# KiCad board RUSP_Mainboard_panelMockup.kicad_pcb (continued)
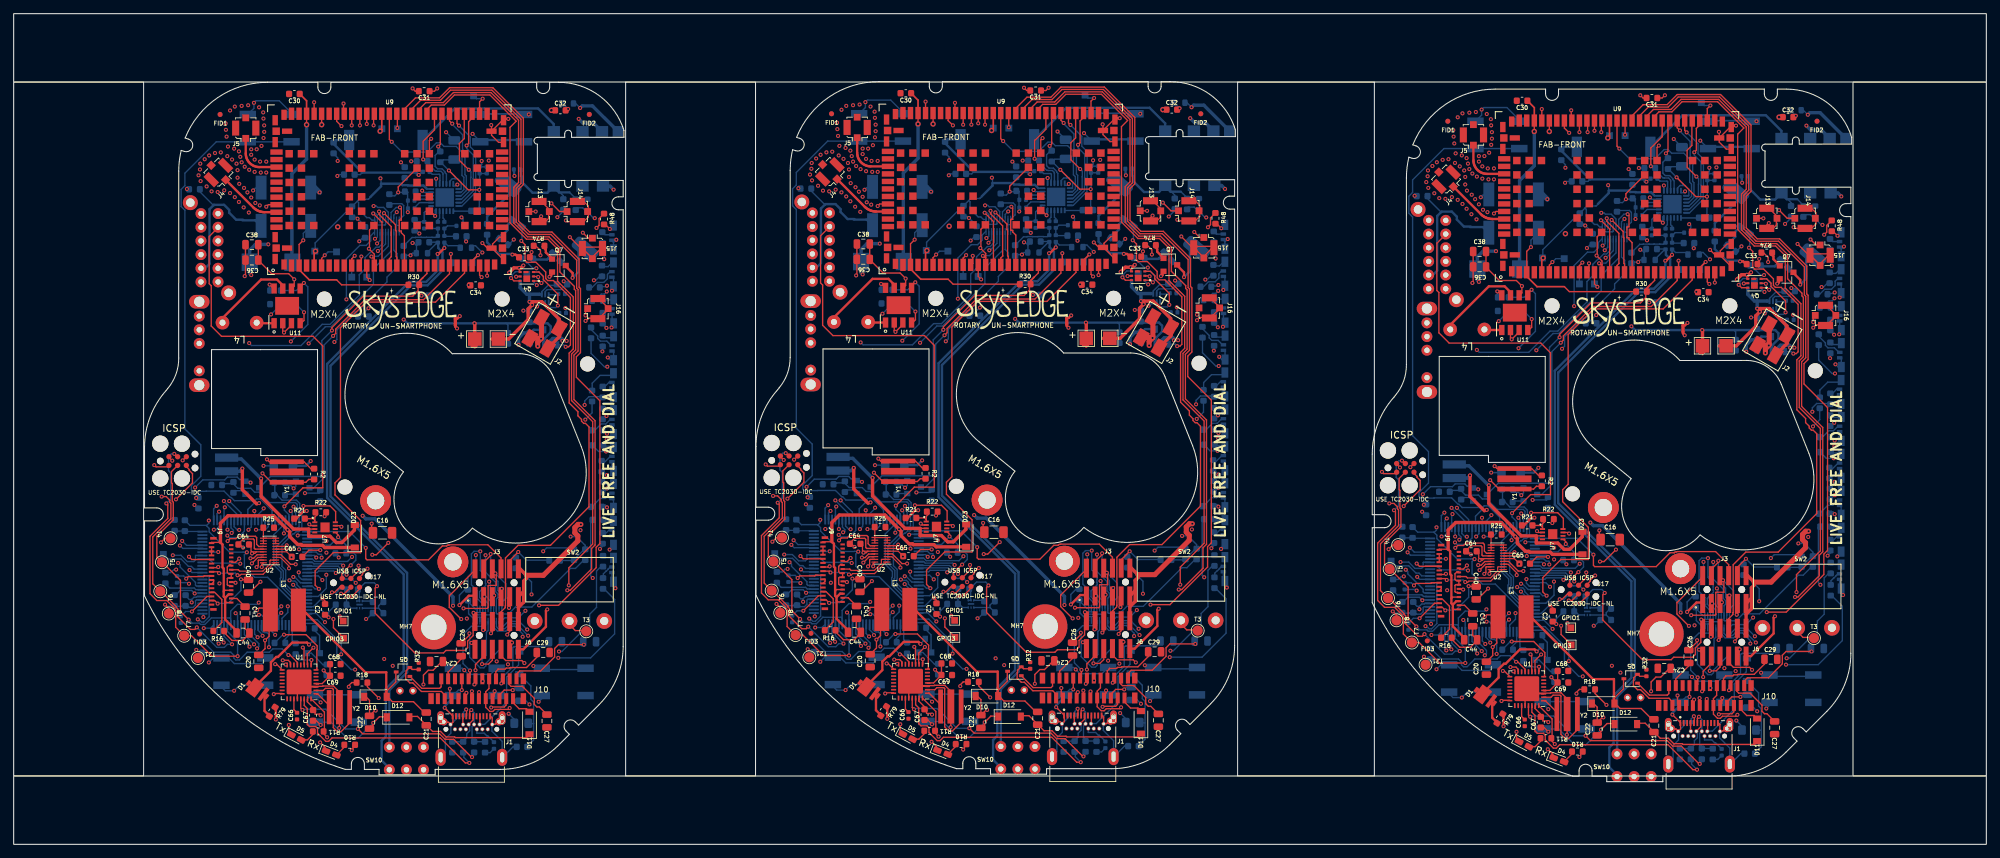
[diagram p0: board, top side]
## Routing (per net, layer and track width the routed paths; a pad name or vN(x,y) marks a point on that pad's centre or on a via; arc(x,y) is an arc through that point) (continued)
/CELL MODEM/ANT2: length 27.9
  L1_GND+GNDA.Cu w0.35: U9.87 36.74,92.46 36.62,92.46 36.5,92.47 36.39,92.49 36.27,92.51 36.15,92.53 36.04,92.56 35.93,92.6 35.82,92.64 35.71,92.69 35.6,92.75 35.5,92.8 35.4,92.87 35.3,92.94 35.21,93.01 35.12,93.09 35.03,93.17 J4.1 ; J4#2.1 214.58,92.17 214.67,92.09 214.76,92.02 214.85,91.94 214.95,91.87 215.05,91.81 215.15,91.75 215.26,91.7 215.37,91.65 215.48,91.61 215.59,91.57 215.7,91.54 215.82,91.51 215.93,91.49 216.05,91.48 216.17,91.47 216.29,91.47 U9#2.87 ; J4#3.1 124.45,93.27 124.54,93.19 124.63,93.11 124.72,93.04 124.82,92.97 124.92,92.91 125.02,92.85 125.13,92.79 125.24,92.75 125.35,92.7 125.46,92.67 125.58,92.63 125.69,92.61 125.81,92.59 125.93,92.57 126.04,92.56 126.16,92.56 U9#3.87
/CELL MODEM/CTS_1v8: length 30.6
  L1_GND+GNDA.Cu w0.2: v1(232.99,91.57) 232.99,91.14 234.76,89.37 234.76,84.99 234.79,84.97 234.49,84.67 U9#2.15 ; U9#3.15 144.36,85.76 144.66,86.06 144.64,86.09 144.64,90.46 142.86,92.24 v1(142.86,92.66) ; v1(53.44,92.56) 53.44,92.14 55.22,90.36 55.22,85.99 55.24,85.96 54.94,85.66 U9.15
  L6_GND.Cu w0.18: 53.59,91.34 53.59,92.41 v1(53.44,92.56) ; U10#3.3 233.14,91.42 v1(232.99,91.57) ; v1(142.86,92.66) 143.01,92.51 U10#2.3
  L6_GND.Cu w0.2: 142.96,92.56 v1(142.86,92.66) ; 233.09,91.47 v1(232.99,91.57) ; 53.54,92.46 v1(53.44,92.56)
/CELL MODEM/DCD_1v8: length 6.9
  L1_GND+GNDA.Cu w0.2: v1(141.49,82.64) T9#3.1 U9#3.12 ; v1(52.07,82.53) T9.1 U9.12 ; U9#2.12 T9#2.1 v1(231.62,81.54)
/CELL MODEM/DSR_1v8: length 14.8
  L1_GND+GNDA.Cu w0.2: v1(229.42,85.09) 228.99,84.65 U9#2.10 ; U9.10 49.44,85.65 v1(49.87,86.08) ; v1(139.29,86.18) 138.86,85.75 U9#3.10
  L6_GND.Cu w0.2: v1(49.87,86.08) 49.44,85.65 49.44,82.91 ; 138.86,83.01 138.86,85.75 v1(139.29,86.18) ; v1(229.42,85.09) 228.99,84.65 228.99,81.92
/CELL MODEM/HOST_SELECT0: length 10
  L1_GND+GNDA.Cu w0.25: U9#3.26 156.46,85.42 v1(157.32,86.28) ; U9#2.26 246.59,84.32 v1(247.45,85.18) ; U9.26 67.04,85.32 v1(67.9,86.18)
  L6_GND.Cu w0.2: T10#3.1 246.59,84.32 v1(247.45,85.18) ; T10#2.1 156.46,85.42 v1(157.32,86.28) ; T10.1 67.04,85.32 v1(67.9,86.18)
/CELL MODEM/HOST_SELECT1: length 7.9
  L1_GND+GNDA.Cu w0.25: U9#3.62 143.26,104.66 v2(143.01,104.41) ; v2(233.14,103.32) 233.39,103.57 233.39,105.87 ; U9.62 53.84,104.56 v2(53.59,104.31)
/CELL MODEM/RI_1v8: length 36
  L1_GND+GNDA.Cu w0.2: 230.09,83.57 230.39,83.87 v1(230.39,84.98) ; 139.96,84.66 140.27,84.97 v1(140.27,86.08) ; 50.54,84.56 50.84,84.86 v1(50.84,85.98)
  L2_3v3+GNDA.Cu w0.2: v1(230.39,84.98) 230.94,85.53 231.74,85.53 232.55,86.35 232.96,86.35 235.58,88.97 v1(235.58,91.48) ; v1(145.45,92.57) 145.45,90.06 142.83,87.44 142.43,87.44 141.61,86.63 140.82,86.63 v1(140.27,86.08) ; v1(50.84,85.98) 51.39,86.53 52.19,86.53 53,87.34 53.41,87.34 56.03,89.96 v1(56.03,92.47)
  L6_GND.Cu w0.18: 145.01,92.13 145.01,91.63 ; 55.59,92.03 55.59,91.53 ; 235.14,91.04 235.14,90.54
  L6_GND.Cu w0.2: 235.14,91.04 v1(235.58,91.48) ; 55.59,92.03 v1(56.03,92.47) ; 145.01,92.13 v1(145.45,92.57)
/CELL MODEM/RTS_1v8: length 29.5
  L1_GND+GNDA.Cu w0.2: v1(232.13,91.28) 233.41,90.01 233.41,83.62 ; v1(142.01,92.38) 143.29,91.1 143.29,84.71 ; 53.87,84.61 53.87,91 v1(52.59,92.28)
  L6_GND.Cu w0.18: U10#2.2 142.61,92.12 142.35,92.38 v1(142.01,92.38) ; v1(52.59,92.28) 52.93,92.28 53.19,92.02 53.19,91.34 ; U10#3.2 232.74,91.03 232.48,91.28 v1(232.13,91.28)
  L6_GND.Cu w0.2: 142.24,92.38 v1(142.01,92.38) ; 232.37,91.28 v1(232.13,91.28) ; 52.82,92.28 v1(52.59,92.28)
/CELL MODEM/RXD_1v8: length 36
  L1_GND+GNDA.Cu w0.2: U9.17 57.14,89.01 56.69,89.46 56.69,89.71 56.44,89.71 56.39,89.76 56.39,91.26 56.44,91.31 56.69,91.31 56.69,92.96 v1(56.49,93.16) ; U9#3.17 146.56,89.11 146.11,89.56 146.11,89.81 145.86,89.81 145.81,89.86 145.81,91.36 145.86,91.41 146.11,91.41 146.11,93.06 v1(145.91,93.26) ; U9#2.17 236.69,88.02 236.24,88.47 236.24,88.72 235.99,88.72 235.94,88.77 235.94,90.27 235.99,90.32 236.24,90.32 236.24,91.97 v1(236.04,92.17)
  L6_GND.Cu w0.18: U10#2.7 144.61,92.51 ; 55.19,91.34 55.19,92.41 ; U10#3.7 234.74,91.42
  L6_GND.Cu w0.2: 234.74,91.42 235.49,92.17 v1(236.04,92.17) ; 55.19,92.41 55.94,93.16 v1(56.49,93.16) ; 144.61,92.51 145.36,93.26 v1(145.91,93.26)
/CELL MODEM/SDIO-CLK: length 111.8
  L1_GND+GNDA.Cu w0.2: v1(51.64,105.36) 51.64,106.76 ; v1(78.64,93.76) 79.84,92.56 J14.1 ; v1(168.06,93.86) 169.26,92.66 J14#2.1 ; J14#3.1 259.39,91.57 v1(258.19,92.77) ; v1(231.19,104.37) 231.19,105.77 ; v1(141.06,105.46) 141.06,106.86
  L3_3v8+GNDA.Cu w0.2: v1(168.06,93.86) 167.86,93.66 153.68,93.66 149.21,98.13 149.21,98.28 148.33,99.15 145.66,99.15 141.06,103.75 v1(141.06,105.46) ; v1(78.64,93.76) 78.44,93.56 64.25,93.56 59.79,98.02 59.79,98.17 58.91,99.05 56.23,99.05 51.64,103.65 v1(51.64,105.36) ; v1(231.19,104.37) 231.19,102.65 235.78,98.06 238.46,98.06 239.34,97.18 239.34,97.03 243.8,92.57 257.99,92.57 v1(258.19,92.77)
/CELL MODEM/SDIO-CMD: length 136.5
  L1_GND+GNDA.Cu w0.2: v1(170.19,91.36) 170.36,91.19 J14#2.2 172.79,91.19 173.46,91.86 173.46,93.46 172.86,94.06 171.86,94.06 ; v1(80.77,91.26) 80.94,91.09 J14.2 83.37,91.09 84.04,91.76 84.04,93.36 83.44,93.96 82.44,93.96 ; v1(50.64,105.16) 50.64,106.96 ; v1(260.31,90.26) 260.49,90.09 J14#3.2 262.91,90.09 263.59,90.77 263.59,92.37 262.99,92.97 261.99,92.97 ; v1(230.19,104.17) 230.19,105.97 ; v1(140.06,105.26) 140.06,107.06
  L3_3v8+GNDA.Cu w0.2: v1(140.06,105.26) 140.06,104 150.7,93.36 151.15,93.36 151.22,93.29 168.25,93.29 v1(170.19,91.36) ; v1(260.31,90.26) 258.38,92.2 241.35,92.2 241.27,92.27 240.82,92.27 230.19,102.9 v1(230.19,104.17) ; v1(80.77,91.26) 78.83,93.19 61.8,93.19 61.73,93.26 61.27,93.26 50.64,103.9 v1(50.64,105.16)
/CELL MODEM/SDIO-D0: length 106
  L1_GND+GNDA.Cu w0.2: v1(228.99,104.17) 228.99,105.77 ; v1(49.44,105.16) 49.44,106.76 ; v1(165.76,92.66) J13#2.1 ; v1(76.34,92.56) J13.1 ; v1(255.89,91.57) J13#3.1 ; v1(138.86,105.26) 138.86,106.86
  L3_3v8+GNDA.Cu w0.2: v1(49.44,105.16) 49.44,104.12 60.95,92.61 76.29,92.61 v1(76.34,92.56) ; v1(228.99,104.17) 228.99,103.13 240.5,91.62 255.84,91.62 v1(255.89,91.57) ; v1(138.86,105.26) 138.86,104.22 150.37,92.71 165.71,92.71 v1(165.76,92.66)
/CELL MODEM/SDIO-D1: length 130.1
  L1_GND+GNDA.Cu w0.2: v1(47.94,105.06) 47.24,105.76 U9.68 ; v1(227.49,104.07) 226.79,104.77 226.79,105.87 ; v1(166.56,91.96) 166.26,91.66 J13#2.2 167.19,91.19 167.66,91.66 167.66,93.06 166.66,94.06 166.26,94.06 ; v1(77.14,91.86) 76.84,91.56 J13.2 77.76,91.09 78.24,91.56 78.24,92.96 77.24,93.96 76.84,93.96 ; 256.39,92.97 256.79,92.97 257.79,91.97 257.79,90.57 257.31,90.09 J13#3.2 256.39,90.57 v1(256.69,90.87) ; v1(137.36,105.16) 136.66,105.86 U9#3.68
  L3_3v8+GNDA.Cu w0.2: v1(256.69,90.87) 255.83,90.01 241.23,90.01 240.39,90.85 240.39,91.05 228.12,103.32 228.12,103.43 v1(227.49,104.07) ; v1(137.36,105.16) 137.99,104.53 137.99,104.41 150.26,92.14 150.26,91.95 151.1,91.11 165.71,91.11 v1(166.56,91.96) ; v1(77.14,91.86) 76.29,91.01 61.68,91.01 60.84,91.85 60.84,92.04 48.57,104.31 48.57,104.43 v1(47.94,105.06)
/CELL MODEM/SDIO-D2: length 127.3
  L1_GND+GNDA.Cu w0.2: 52.84,106.96 52.64,106.76 v1(52.64,105.16) ; v1(172.66,89.56) 173.46,88.76 J15#3.1 ; 232.39,105.97 232.19,105.77 v1(232.19,104.17) ; J15#2.1 263.59,87.67 v1(262.79,88.47) ; 142.26,107.06 142.06,106.86 v1(142.06,105.26) ; v1(83.24,89.46) 84.04,88.66 J15.1
  L3_3v8+GNDA.Cu w0.2: v1(172.66,89.56) 172.66,91.98 169.61,95.04 152.82,95.04 150.66,97.2 150.66,97.69 143.09,105.26 v1(142.06,105.26) ; v1(83.24,89.46) 83.24,91.88 80.18,94.94 63.4,94.94 61.24,97.1 61.24,97.59 53.66,105.16 v1(52.64,105.16) ; v1(232.19,104.17) 233.21,104.17 240.79,96.59 240.79,96.1 242.95,93.94 259.73,93.94 262.79,90.89 v1(262.79,88.47)
/CELL MODEM/SDIO-D3: length 173.8
  L1_GND+GNDA.Cu w0.2: J15.2 84.64,85.91 85.74,87.01 ; 265.19,86.37 262.34,86.37 v1(260.89,87.82) ; v1(48.24,108.36) 48.24,106.96 48.44,106.76 ; 137.86,106.86 137.66,107.06 v1(137.66,108.46) ; 84.64,85.71 83.39,86.96 ; v1(170.76,88.91) 172.21,87.46 175.06,87.46 ; 175.16,87.11 174.06,86.01 J15#3.2 ; 174.06,85.81 172.81,87.06 ; 85.64,87.36 82.79,87.36 v1(81.34,88.81) ; J15#2.2 264.19,84.92 265.29,86.02 ; v1(227.79,107.37) 227.79,105.97 227.99,105.77 ; 264.19,84.72 262.94,85.97
  L3_3v8+GNDA.Cu w0.2: v1(260.89,87.82) 263.22,87.82 263.34,87.94 263.34,90.83 259.17,95 248.27,95 246.91,96.36 245.44,96.36 234.42,107.37 v1(227.79,107.37) ; v1(48.24,108.36) 54.88,108.36 65.89,97.35 67.37,97.35 68.72,96 79.62,96 83.79,91.83 83.79,88.93 83.67,88.81 v1(81.34,88.81) ; v1(170.76,88.91) 173.09,88.91 173.21,89.03 173.21,91.93 169.04,96.1 158.14,96.1 156.79,97.45 155.31,97.45 144.3,108.46 v1(137.66,108.46)
/CELL MODEM/TXD_1v8: length 28.5
  L1_GND+GNDA.Cu w0.2: U9#2.16 235.59,84.88 235.49,84.98 235.49,88.72 235.39,88.82 235.39,89.65 235.38,89.65 v1(233.7,91.33) ; v1(143.57,92.42) 145.25,90.74 145.26,90.74 145.26,89.92 145.36,89.82 145.36,86.08 145.46,85.98 U9#3.16 ; U9.16 56.04,85.88 55.94,85.98 55.94,89.72 55.84,89.82 55.84,90.64 55.83,90.64 v1(54.15,92.32)
  L6_GND.Cu w0.18: U10#3.4 233.54,91.17 v1(233.7,91.33) ; U10#2.4 143.41,92.26 v1(143.57,92.42) ; v1(54.15,92.32) 53.99,92.16 53.99,91.34
/CELL MODEM/USB_D+: length 65.1
  L1_GND+GNDA.Cu w0.2: v1(173.06,77.46) 173.06,78.06 173.46,78.46 ; v1(263.19,76.37) 263.19,76.97 263.59,77.37 ; 84.04,78.36 83.64,77.96 v1(83.64,77.36) ; v1(248.79,82.17) 248.79,83.77 ; v1(158.66,83.26) 158.66,84.86 ; v1(69.24,83.16) 69.24,84.76
  L2_3v3+GNDA.Cu w0.2: v1(158.66,83.26) 159.54,82.39 161.94,82.39 163.41,80.91 163.41,77.9 164.3,77.01 172.61,77.01 v1(173.06,77.46) ; v1(83.64,77.36) 83.19,76.91 74.88,76.91 73.99,77.8 73.99,80.81 72.52,82.28 70.12,82.28 v1(69.24,83.16) ; v1(263.19,76.37) 262.74,75.92 254.43,75.92 253.54,76.8 253.54,79.82 252.07,81.29 249.67,81.29 v1(248.79,82.17)
/CELL MODEM/USB_D-: length 82.8
  L1_GND+GNDA.Cu w0.2: v1(68.44,82.96) 68.14,83.26 U9.27 ; 85.04,76.96 84.04,76.96 v1(83.64,76.56) ; v1(263.19,75.57) 263.59,75.97 264.59,75.97 ; 85.24,79.76 85.64,79.76 87.04,78.36 85.56,76.89 J16.2 ; J16#2.2 265.11,75.89 266.59,77.37 265.19,78.77 264.79,78.77 ; J16#3.2 174.99,76.99 176.46,78.46 175.06,79.86 174.66,79.86 ; U9#2.27 247.69,82.27 v1(247.99,81.97) ; U9#3.27 157.56,83.36 v1(157.86,83.06) ; v1(173.06,76.66) 173.46,77.06 174.46,77.06
  L2_3v3+GNDA.Cu w0.2: v1(157.86,83.06) 158.89,82.04 161.79,82.04 163.06,80.77 163.06,77.75 164.15,76.66 v1(173.06,76.66) ; v1(263.19,75.57) 254.28,75.57 253.19,76.66 253.19,79.67 251.92,80.94 249.02,80.94 v1(247.99,81.97) ; v1(68.44,82.96) 69.47,81.93 72.37,81.93 73.64,80.67 73.64,77.65 74.73,76.56 v1(83.64,76.56)
/CELL MODEM/V_BCKP: length 72
  L1_GND+GNDA.Cu w0.2: 47.24,82.56 47.97,81.84 R30.1 ; R30#2.1 137.39,81.94 136.66,82.66 ; v1(221.9,87.36) 221.29,86.74 U9#2.3 ; U9#3.3 131.16,87.84 v1(131.77,88.45) ; U9.3 41.74,87.74 v1(42.35,88.35) ; R30#3.1 227.51,80.84 226.79,81.57
  L1_GND+GNDA.Cu w0.25: 136.66,82.66 132.66,82.66 131.16,84.16 U9#3.3 ; 226.79,81.57 222.79,81.57 221.29,83.07 U9#2.3 ; 47.24,82.56 43.24,82.56 41.74,84.06 U9.3
  L6_GND.Cu w0.2: C37#3.1 131.77,89.47 v1(131.77,88.45) ; C37#2.1 221.9,88.38 v1(221.9,87.36) ; C37.1 42.35,89.37 v1(42.35,88.35)
/CELL_CTS: length 183.9
  L5_3v8.Cu w0.2: v1(232.69,86.9) 233.79,85.8 233.79,78.37 225.07,69.65 225.07,54.61 223.67,53.22 223.67,48.02 224.12,47.56 224.12,46.59 223.34,45.81 223.34,45.59 222.89,45.14 222.89,38.37 221.48,36.97 v1(220.43,36.97) ; v1(53.15,87.89) 54.24,86.8 54.24,79.36 45.52,70.64 45.52,55.61 44.12,54.21 44.12,49.01 44.57,48.56 44.57,47.58 43.79,46.8 43.79,46.58 43.34,46.13 43.34,39.37 41.93,37.96 v1(40.88,37.96) ; v1(142.57,87.99) 143.66,86.9 143.66,79.46 134.94,70.74 134.94,55.71 133.54,54.31 133.54,49.11 133.99,48.66 133.99,47.68 133.21,46.9 133.21,46.68 132.76,46.23 132.76,39.47 131.36,38.06 v1(130.3,38.06)
  L6_GND.Cu w0.18: U10#3.18 233.14,87.34 ; U10.18 53.59,88.33 ; U10#2.18 143.01,88.44
  L6_GND.Cu w0.2: v1(130.3,38.06) 131.53,36.84 132.36,36.84 ; 42.94,36.74 42.11,36.74 v1(40.88,37.96) ; v1(220.43,36.97) 221.66,35.74 222.49,35.74 ; 143.01,88.44 v1(142.57,87.99) ; 233.14,87.34 v1(232.69,86.9) ; 53.59,88.33 v1(53.15,87.89)
/CELL_ON: length 91.8
  L6_GND.Cu w0.2: 121.56,52.86 120.36,52.86 120.21,52.71 ; 211.71,51.69 212.32,51.08 214.22,51.08 214.79,50.52 215.44,50.52 216.96,48.99 220.76,48.99 221.03,48.73 221.03,48.09 221.29,47.83 221.29,45.46 221.09,45.27 220.68,45.27 217.99,42.58 217.99,39.97 218.99,38.97 218.99,37.86 218.89,37.76 218.89,36.97 221.59,34.27 222.49,34.27 ; 32.14,52.76 30.94,52.76 30.79,52.61 ; 121.59,52.79 122.2,52.18 124.1,52.18 124.66,51.61 125.31,51.61 126.84,50.09 130.64,50.09 130.9,49.82 130.9,49.19 131.16,48.93 131.16,46.56 130.97,46.36 130.55,46.36 127.86,43.67 127.86,41.07 128.86,40.07 128.86,38.96 128.76,38.86 128.76,38.07 131.47,35.36 132.36,35.36 ; 210.34,51.62 210.49,51.77 211.69,51.77 ; 32.16,52.69 32.77,52.08 34.67,52.08 35.24,51.51 35.89,51.51 37.42,49.99 41.22,49.99 41.48,49.72 41.48,49.09 41.74,48.82 41.74,46.46 41.55,46.26 41.13,46.26 38.44,43.57 38.44,40.96 39.44,39.96 39.44,38.86 39.34,38.76 39.34,37.96 42.05,35.26 42.94,35.26
/CELL_PWR_DET: length 181.6
  L4_GND.Cu w0.2: v1(45.72,39.43) 43.71,41.44 43.71,42.18 43.84,42.32 43.84,50.12 47.29,53.57 47.29,71.37 48.66,72.74 v1(48.66,79.71) ; v1(228.21,78.72) 228.21,71.75 226.84,70.37 226.84,52.58 223.39,49.13 223.39,41.32 223.26,41.19 223.26,40.45 v1(225.27,38.44) ; v1(138.09,79.81) 138.09,72.84 136.71,71.47 136.71,53.67 133.26,50.22 133.26,42.42 133.13,42.28 133.13,41.54 v1(135.14,39.53)
  L6_GND.Cu w0.2: v1(228.21,78.72) 228.21,84.66 230.17,86.62 231.1,86.62 231.76,87.28 231.76,88.02 232.29,88.55 ; v1(45.72,39.43) 45.72,37.44 44.54,36.26 42.89,36.26 ; v1(135.14,39.53) 135.14,37.54 133.96,36.36 132.31,36.36 ; v1(225.27,38.44) 225.27,36.45 224.09,35.27 222.44,35.27 ; 52.74,89.54 52.22,89.02 52.22,88.27 51.55,87.61 50.63,87.61 48.66,85.65 v1(48.66,79.71) ; 142.16,89.64 141.64,89.12 141.64,88.37 140.98,87.71 140.05,87.71 138.09,85.75 v1(138.09,79.81)
/CELL_RESET: length 70.7
  L6_GND.Cu w0.2: 218.04,50.19 218.04,50.12 218.81,49.34 220.91,49.34 221.38,48.87 221.38,48.24 221.69,47.93 221.69,45.17 221.26,44.73 220.86,44.73 220.54,44.41 220.39,44.41 218.79,42.81 218.79,39.66 219.34,39.12 219.34,37.72 219.24,37.62 219.24,37.12 221.56,34.79 222.31,34.79 ; 38.56,51.19 38.19,51.56 38.19,52.96 ; 42.76,35.79 42.01,35.79 39.69,38.11 39.69,38.61 39.79,38.71 39.79,40.11 39.24,40.66 39.24,43.81 40.84,45.41 40.99,45.41 41.31,45.73 41.71,45.73 42.14,46.16 42.14,48.92 41.83,49.23 41.83,49.87 41.36,50.34 39.26,50.34 38.49,51.11 38.49,51.19 ; 127.99,51.29 127.61,51.66 127.61,53.06 ; 218.11,50.19 217.74,50.57 217.74,51.97 ; 132.19,35.89 131.44,35.89 129.11,38.21 129.11,38.71 129.21,38.81 129.21,40.21 128.66,40.76 128.66,43.91 130.26,45.51 130.41,45.51 130.73,45.83 131.13,45.83 131.56,46.26 131.56,49.02 131.25,49.33 131.25,49.97 130.78,50.44 128.69,50.44 127.91,51.21 127.91,51.29
/CELL_RI: length 252.5
  L4_GND.Cu w0.2: v1(136.32,73.58) 135.56,72.82 135.56,55.82 129.56,49.82 129.56,49.27 125.85,45.56 122.65,45.56 120.65,43.56 117.65,43.56 113.41,39.33 113.41,35.23 115.03,33.61 115.43,33.61 115.79,33.25 115.79,32.64 116.04,32.39 116.43,32.39 116.46,32.36 120.33,32.36 v1(121.88,33.91) ; v1(46.9,73.48) 46.14,72.71 46.14,55.72 40.14,49.72 40.14,49.17 36.43,45.46 33.23,45.46 31.23,43.46 28.23,43.46 23.99,39.23 23.99,35.13 25.61,33.51 26,33.51 26.36,33.15 26.36,32.54 26.62,32.28 27.01,32.28 27.03,32.26 30.91,32.26 v1(32.46,33.81) ; v1(212.01,32.81) 210.46,31.27 206.58,31.27 206.56,31.29 206.17,31.29 205.91,31.54 205.91,32.16 205.55,32.52 205.15,32.52 203.54,34.13 203.54,38.23 207.77,42.47 210.78,42.47 212.78,44.47 215.98,44.47 219.69,48.18 219.69,48.73 225.69,54.73 225.69,71.72 v1(226.45,72.48)
  L6_GND.Cu w0.18: U10#3.13 235.14,85.91 ; U10#2.13 145.01,87 ; U10.13 55.59,86.9
  L6_GND.Cu w0.2: v1(226.45,72.48) 226.81,72.85 226.81,74.25 229.5,76.94 229.81,76.94 234.14,81.27 234.14,81.97 235.61,83.44 235.61,85.43 235.14,85.91 ; v1(46.9,73.48) 47.26,73.84 47.26,75.25 49.95,77.94 50.27,77.94 54.59,82.26 54.59,82.96 56.07,84.44 56.07,86.43 55.59,86.9 ; v1(212.01,32.81) 212.29,32.53 212.29,31.12 ; v1(121.88,33.91) 122.16,33.63 122.16,32.21 ; v1(136.32,73.58) 136.69,73.94 136.69,75.35 139.38,78.04 139.69,78.04 144.01,82.36 144.01,83.06 145.49,84.54 145.49,86.53 145.01,87 ; v1(32.46,33.81) 32.74,33.53 32.74,32.11
/CELL_RTS: length 194.5
  L5_3v8.Cu w0.2: v1(52.84,88.57) 53.26,88.57 54.62,87.22 54.62,79.24 45.87,70.49 45.87,55.46 44.47,54.06 44.47,49.15 44.92,48.7 44.92,47.22 43.69,45.99 43.69,39.22 41.88,37.41 40.56,37.41 40.33,37.64 v1(40.33,38.62) ; v1(232.39,87.58) 232.81,87.58 234.16,86.23 234.16,78.25 225.42,69.5 225.42,54.47 224.02,53.07 224.02,48.16 224.47,47.71 224.47,46.23 223.24,45 223.24,38.23 221.43,36.42 220.11,36.42 219.88,36.65 v1(219.88,37.63) ; v1(129.75,38.72) 129.75,37.74 129.99,37.51 131.3,37.51 133.11,39.32 133.11,46.09 134.34,47.32 134.34,48.8 133.89,49.26 133.89,54.17 135.29,55.56 135.29,70.6 144.04,79.34 144.04,87.33 142.69,88.68 v1(142.26,88.68)
  L6_GND.Cu w0.18: U10#3.19 232.74,87.85 ; U10.19 53.19,88.84 ; U10#2.19 142.61,88.94
  L6_GND.Cu w0.2: v1(129.75,38.72) 129.86,38.61 130.57,38.61 130.85,38.33 130.85,38.07 131.56,37.36 132.29,37.36 ; v1(142.26,88.68) 142.35,88.68 142.61,88.94 ; 222.41,36.27 221.69,36.27 220.98,36.97 220.98,37.23 220.7,37.52 219.99,37.52 v1(219.88,37.63) ; v1(40.33,38.62) 40.44,38.51 41.15,38.51 41.43,38.22 41.43,37.97 42.14,37.26 42.87,37.26 ; v1(232.39,87.58) 232.47,87.58 232.74,87.85 ; v1(52.84,88.57) 52.92,88.57 53.19,88.84
/CELL_RXD: length 223.2
  L2_3v3+GNDA.Cu w0.2: v1(43.14,73.26) 42.84,72.96 36.75,72.96 35.85,73.86 29.54,73.86 24.54,68.86 24.54,61.47 27.54,58.47 27.54,48.08 24.01,44.55 24.01,44 v1(24.31,43.7) ; v1(203.86,42.71) 203.56,43.01 203.56,43.55 207.09,47.08 207.09,57.47 204.09,60.47 204.09,67.87 209.09,72.87 215.4,72.87 216.3,71.97 222.39,71.97 v1(222.69,72.27) ; v1(132.56,73.36) 132.26,73.06 126.18,73.06 125.28,73.96 118.96,73.96 113.96,68.96 113.96,61.57 116.96,58.57 116.96,48.18 113.43,44.65 113.43,44.11 v1(113.73,43.81)
  L6_GND.Cu w0.18: U10#3.14 234.74,85.77 ; U10#2.14 144.61,86.86 ; U10.14 55.19,86.76
  L6_GND.Cu w0.2: v1(113.73,43.81) 114.15,43.39 117.06,43.39 ; 55.19,86.76 52.62,84.19 52.62,81.91 46.42,75.71 45.59,75.71 v1(43.14,73.26) ; 144.61,86.86 142.04,84.29 142.04,82.01 135.84,75.81 135.01,75.81 v1(132.56,73.36) ; v1(24.31,43.7) 24.72,43.29 27.64,43.29 ; v1(203.86,42.71) 204.27,42.3 207.19,42.3 ; 234.74,85.77 232.17,83.19 232.17,80.91 225.97,74.72 225.14,74.72 v1(222.69,72.27)
/CELL_TXD: length 216
  L2_3v3+GNDA.Cu w0.2: v1(213.99,72.32) 213.84,72.47 209.18,72.47 204.44,67.72 204.44,60.62 207.44,57.62 207.44,46.63 v1(204.19,43.38) ; v1(114.06,44.48) 117.31,47.73 117.31,58.71 114.31,61.71 114.31,68.82 119.06,73.56 123.71,73.56 v1(123.86,73.41) ; v1(24.64,44.38) 27.89,47.63 27.89,58.61 24.89,61.61 24.89,68.72 29.63,73.46 34.29,73.46 v1(34.44,73.31)
  L6_GND.Cu w0.18: U10#3.17 233.54,86.93 ; U10#2.17 143.41,88.02 ; U10.17 53.99,87.92
  L6_GND.Cu w0.2: 233.54,86.93 232.96,86.35 232.53,86.35 231.76,85.57 231.69,85.57 230.94,84.83 230.94,83.17 230.09,82.32 230.09,79.33 225.82,75.07 224.68,75.07 221.57,71.97 214.34,71.97 v1(213.99,72.32) ; v1(34.44,73.31) 34.79,72.96 42.03,72.96 45.13,76.06 46.28,76.06 50.54,80.33 50.54,83.31 51.39,84.16 51.39,85.82 52.14,86.57 52.21,86.57 52.99,87.34 53.41,87.34 53.99,87.92 ; 27.64,43.74 25.28,43.74 v1(24.64,44.38) ; 207.19,42.75 204.83,42.75 v1(204.19,43.38) ; 117.06,43.84 114.7,43.84 v1(114.06,44.48) ; 143.41,88.02 142.83,87.44 142.41,87.44 141.63,86.67 141.56,86.67 140.82,85.92 140.82,84.27 139.96,83.41 139.96,80.43 135.7,76.16 134.55,76.16 131.45,73.06 124.21,73.06 v1(123.86,73.41)
/EPAPER DRIVER/EPD_CS_3v3: length 67.9
  L1_GND+GNDA.Cu w0.2: v1(156.8,23.48) 156.96,23.64 J10#3.12 ; v1(67.38,23.38) 67.54,23.54 67.54,24.21 ; J10#2.12 247.09,22.54 v1(246.93,22.39)
  L3_3v8+GNDA.Cu w0.2: v1(156.8,23.48) 156.87,23.41 158.28,23.41 158.86,24 158.86,29.3 161.57,32.01 163.26,32.01 v1(164.66,30.61) ; v1(75.24,30.51) 73.84,31.91 72.15,31.91 69.44,29.2 69.44,23.9 68.85,23.31 67.45,23.31 v1(67.38,23.38) ; v1(254.79,29.52) 253.39,30.92 251.7,30.92 248.99,28.21 248.99,22.9 248.4,22.32 247,22.32 v1(246.93,22.39)
  L6_GND.Cu w0.18: U8.3 70.59,31.85 ; U8#2.3 250.14,30.85 ; U8#3.3 160.01,31.95
  L6_GND.Cu w0.2: v1(164.66,30.61) 162.91,32.36 161.98,32.36 161.26,31.64 160.32,31.64 160.01,31.95 ; v1(75.24,30.51) 73.49,32.26 72.56,32.26 71.83,31.54 70.9,31.54 70.59,31.85 ; v1(254.79,29.52) 253.04,31.27 252.1,31.27 251.38,30.55 250.44,30.55 250.14,30.85
/EPAPER DRIVER/EPD_DC_3v3: length 69.6
  L1_GND+GNDA.Cu w0.2: J10.11 67.04,22.36 v1(67.01,22.39) ; v1(156.44,22.49) 156.46,22.46 J10#3.11 ; v1(246.56,21.39) 246.59,21.37 J10#2.11
  L3_3v8+GNDA.Cu w0.2: v1(74.44,30.36) 74.44,30.79 73.66,31.56 72.29,31.56 71.49,30.76 71.49,24.66 69.66,22.84 67.47,22.84 v1(67.01,22.39) ; v1(253.99,29.37) 253.99,29.79 253.21,30.57 251.84,30.57 251.04,29.76 251.04,23.67 249.21,21.84 247.01,21.84 v1(246.56,21.39) ; v1(163.86,30.46) 163.86,30.89 163.09,31.66 161.72,31.66 160.91,30.86 160.91,24.76 159.09,22.94 156.89,22.94 v1(156.44,22.49)
  L6_GND.Cu w0.18: U8#3.4 159.61,31.85 ; U8.4 70.19,31.75 ; U8#2.4 249.74,30.76
  L6_GND.Cu w0.2: 249.74,30.76 250.3,30.2 251.53,30.2 252.25,30.92 252.86,30.92 253.99,29.79 v1(253.99,29.37) ; 70.19,31.75 70.75,31.19 71.98,31.19 72.7,31.91 73.31,31.91 74.44,30.79 v1(74.44,30.36) ; 159.61,31.85 160.17,31.29 161.4,31.29 162.12,32.01 162.74,32.01 163.86,30.89 v1(163.86,30.46)
/EPAPER DRIVER/EPD_MOSI_3v3: length 57.8
  L1_GND+GNDA.Cu w0.2: J10#2.14 248.09,22.92 v1(248.14,22.87) ; J10#3.14 157.96,24.01 v1(158.01,23.96) ; v1(68.59,23.86) 68.54,23.91 68.54,24.21
  L3_3v8+GNDA.Cu w0.2: v1(158.01,23.96) 158.51,24.46 158.51,29.45 161.43,32.36 163.69,32.36 v1(164.53,31.53) ; v1(254.65,30.43) 253.82,31.27 251.55,31.27 248.64,28.35 248.64,23.37 v1(248.14,22.87) ; v1(68.59,23.86) 69.09,24.36 69.09,29.35 72,32.26 74.27,32.26 v1(75.1,31.42)
  L6_GND.Cu w0.18: U8#2.2 250.54,30.95 250.59,30.9 ; 160.46,31.99 160.41,32.04 U8#3.2 ; 71.04,31.89 70.99,31.94 U8.2
  L6_GND.Cu w0.2: v1(75.1,31.42) 73.92,32.61 72.32,32.61 71.6,31.89 71.04,31.89 ; 160.46,31.99 161.02,31.99 161.74,32.71 163.34,32.71 v1(164.53,31.53) ; v1(254.65,30.43) 253.47,31.62 251.87,31.62 251.15,30.9 250.59,30.9
/EPAPER DRIVER/EPD_RES_3v3: length 34.3
  L1_GND+GNDA.Cu w0.2: v1(246.29,24.42) 246.29,23.42 246.11,23.24 ; 66.56,24.24 66.74,24.41 v1(66.74,25.41) ; 155.99,24.34 156.16,24.51 v1(156.16,25.51)
  L6_GND.Cu w0.18: U8#2.7 248.54,30.95 ; U8.7 68.99,31.94 ; U8#3.7 158.41,32.04
  L6_GND.Cu w0.2: 68.99,31.94 68.94,31.89 66.91,31.89 65.71,30.69 65.71,26.44 v1(66.74,25.41) ; v1(246.29,24.42) 245.26,25.44 245.26,29.7 246.46,30.89 248.49,30.89 248.54,30.95 ; 158.41,32.04 158.36,31.99 156.33,31.99 155.14,30.79 155.14,26.54 v1(156.16,25.51)
/EPAPER DRIVER/EPD_SCK_3v3: length 59.5
  L1_GND+GNDA.Cu w0.2: v1(247.61,21.27) 247.59,21.24 J10#2.13 ; J10.13 68.04,22.24 v1(68.06,22.26) ; v1(157.49,22.36) 157.46,22.34 J10#3.13
  L4_GND.Cu w0.2: v1(247.61,21.27) 247.54,21.34 247.54,23.92 ; 67.98,24.9 71.41,28.33 71.41,30.8 74.77,34.16 v1(74.84,34.16) ; v1(157.49,22.36) 157.41,22.44 157.41,25.01 ; v1(68.06,22.26) 67.99,22.34 67.99,24.91 ; v1(254.39,33.17) 254.32,33.17 250.96,29.8 250.96,27.34 247.53,23.91 ; 157.4,25 160.83,28.43 160.83,30.9 164.2,34.26 v1(164.26,34.26)
  L6_GND.Cu w0.18: U8#3.1 161.26,33.24 ; U8.1 71.84,33.14 ; U8#2.1 251.38,32.14
  L6_GND.Cu w0.2: 161.26,33.24 163.24,33.24 v1(164.26,34.26) ; v1(254.39,33.17) 253.36,32.14 251.38,32.14 ; 71.84,33.14 73.81,33.14 v1(74.84,34.16)
/EPAPER DRIVER/GDR: length 20.4
  L1_GND+GNDA.Cu w0.2: Q5#3.1 239.23,21.83 241.85,21.83 242.06,22.04 242.06,23.44 ; 151.94,24.54 151.94,23.14 151.72,22.92 149.1,22.92 Q5#2.1 ; Q5.1 59.68,22.82 62.3,22.82 62.51,23.04 62.51,24.44
/EPAPER DRIVER/PREVGH: length 76.4
  L1_GND+GNDA.Cu w0.2: 72.01,21.29 72.01,20.36 71.74,20.09 69.91,20.09 v1(69.84,20.01) ; 140.66,21.96 141.46,21.16 C22#2.2 142.32,19.76 142.32,19.7 v1(142.36,19.66) ; v1(232.49,18.57) 232.45,18.6 232.45,18.67 C22#3.2 231.59,20.07 230.79,20.87 ; v1(249.38,19.02) 249.46,19.09 251.29,19.09 251.56,19.37 251.56,20.29 ; 161.44,21.39 161.44,20.46 161.16,20.19 159.33,20.19 v1(159.26,20.11) ; 51.24,21.86 52.04,21.06 C22.2 52.9,19.66 52.9,19.6 v1(52.94,19.56)
  L2_3v3+GNDA.Cu w0.2: v1(249.38,19.02) 248.89,19.52 233.44,19.52 v1(232.49,18.57) ; v1(69.84,20.01) 69.34,20.51 53.89,20.51 v1(52.94,19.56) ; v1(142.36,19.66) 143.31,20.61 158.76,20.61 v1(159.26,20.11)
/EPAPER DRIVER/PREVGL: length 10.7
  L1_GND+GNDA.Cu w0.2: 162.51,21.44 162.51,20.76 163.34,19.94 164.42,19.94 D11#2.2 ; 73.09,21.34 73.09,20.66 73.91,19.84 74.99,19.84 D11.2 ; 254.99,18.4 254.54,18.84 253.46,18.84 252.64,19.67 252.64,20.34
/EPAPER DRIVER/RESE: length 31.8
  L1_GND+GNDA.Cu w0.2: R32#2.1 237.82,24.58 237.49,24.92 236.94,24.37 236.94,24.04 236.89,23.99 236.89,23.14 236.94,23.09 237.01,23.09 237.49,22.62 237.93,22.62 239.18,21.37 242.09,21.37 242.54,20.92 242.54,20.34 ; R32.1 58.28,25.58 57.94,25.91 57.39,25.36 57.39,25.04 57.34,24.99 57.34,24.14 57.39,24.09 57.47,24.09 57.94,23.61 58.38,23.61 59.63,22.36 62.54,22.36 62.99,21.91 62.99,21.34 ; 152.41,21.44 152.41,22.01 151.96,22.46 149.05,22.46 147.8,23.71 147.36,23.71 146.89,24.19 146.81,24.19 146.76,24.24 146.76,25.09 146.81,25.14 146.81,25.46 147.36,26.01 147.7,25.68 R32#3.1
/EPAPER DRIVER/VCOM: length 40.5
  L1_GND+GNDA.Cu w0.2: 253.04,23.32 253.04,23.84 253.56,24.37 256.62,24.37 258.66,26.41 258.66,27.66 259.22,28.22 v1(262.94,28.22) ; v1(83.39,29.21) 79.68,29.21 79.12,28.65 79.12,27.4 77.08,25.36 74.01,25.36 73.49,24.84 73.49,24.31 ; v1(172.81,29.31) 169.1,29.31 168.54,28.75 168.54,27.5 166.5,25.46 163.44,25.46 162.91,24.94 162.91,24.41